# Altium PCB foxbms2-master.PcbDoc (part 11 of 12)
Units mil, origin at the board's own origin, x right, y up, seen from the top; angles counter-clockwise.
Board outline 7874.02 x 4724.41 mil, 8 copper layers (Top, Int1 (Sig), Int2 (Gnd), Int3 (Sig), Int4 (Sig), Int5 (Pwr), Int6 (Sig), Bottom), stack 64.41 mil thick; 912 components, 680 nets, 3159 pads, 2871 vias.
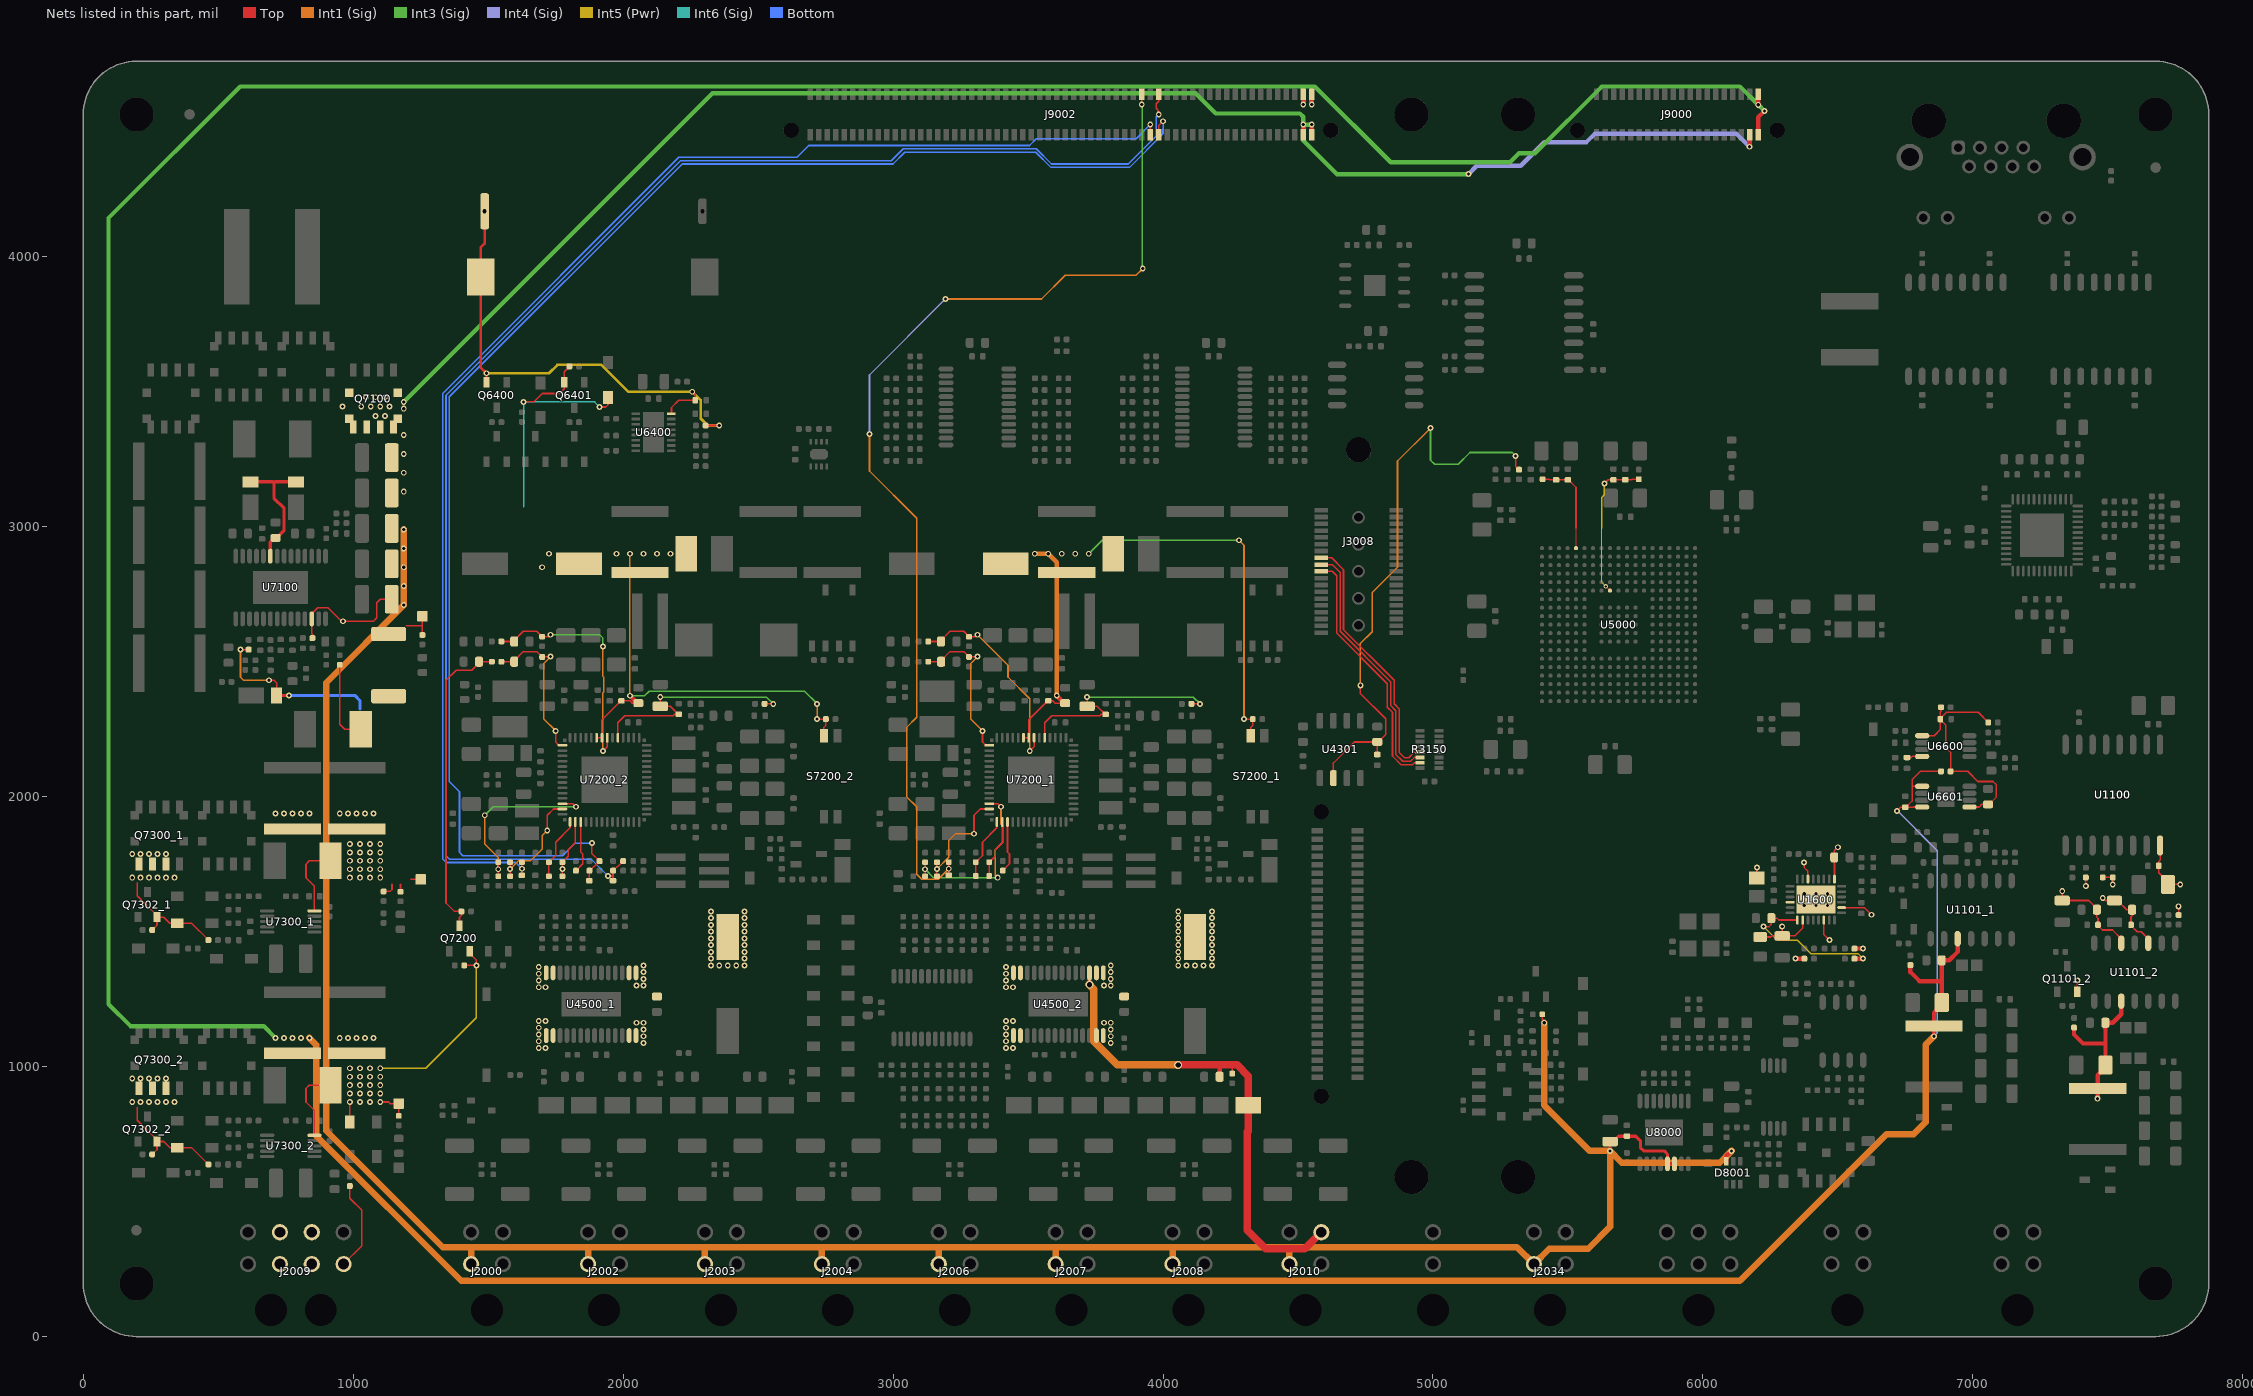
[diagram p17: the nets of this part, all layers, seen from the top]

## Via types
v1: diameter 21.65, hole 11.81, Top to Bottom, 1680 vias
v2: diameter 21.65, hole 11.81, Top to Bottom, tented both sides, 970 vias
v3: diameter 17.72, hole 7.87, Top to Bottom, tented both sides, 172 vias
v4: diameter 17.72, hole 7.87, Top to Bottom, 23 vias
v5: diameter 29.53, hole 19.68, Top to Bottom, tented both sides, 17 vias
v6: diameter 29.53, hole 19.68, Top to Bottom, 9 vias

## Nets (pads, with @x,y where several pads share a name; then routed paths per layer and width w, separated by ;. In a path a pad name is that pad's centre, name@x,y a point inside that pad or via, vN(x,y) a via of type N, cw(c..) or ccw(c..) an arc to the next point about the centre after c; other vN are vias at no path point) (continued)
SMSW_OUT2.4_1: C4507_2.2 D4503_2.1 J2010.3 R4508_2.2 U4500_2.17 | length 1864.6
  Top w6: 4255.3,1006.25 4256.25,1005.3 R4508_2.2@4256.25,973.97
  Top w16: v5(3727.66,1303.59) U4500_2.17@3727.66,1347.39 ; 4206.92,1006.25 4209.79,1003.37 C4507_2.2@4209.79,962.5
  Top w28: v5(4056.25,1006.25) 4206.92,1006.25 4255.3,1006.25 4275,1006.25 4316.29,964.96 D4503_2.1@4316.29,856.25 4316.29,761.45 4312.5,757.66 4312.5,393.75 4381.25,325 4525.16,325 J2010.3@4586.57,386.42
  Int1 (Sig) w28: v5(3727.66,1303.59) 3727.66,1303.18 3743.75,1287.09 3743.75,1093.75 3831.25,1006.25 v5(4056.25,1006.25)
SUPPLY_ext.15_IGNITION_1: J2009.1 R7005.2 | length 334.7
  Top w6: J2009.1@964.41,268.43 1031.25,335.27 1031.25,468.75 987.5,512.5 R7005.2@987.5,557.28
SUPPLY_IO.\SBC_PER_PGOOD_1: C7237_2.2 J9002.84 R7241_2.1 R7249_2.2 | length 5582.7
  Top w6: C7237_2.2@1875,1688.83 R7249_2.2@1875,1726.03 1889.83,1740.86 1891.89,1740.86 R7241_2.1@1912.5,1761.47 1884.18,1789.79 v1(1884.18,1827.94) ; J9002.84@3984.25,4452.76 3984.25,4486.32 v1(4000.3,4502.36)
  Bottom w6: v1(1884.18,1827.94) 1821.69,1827.94 1775,1781.25 1406.25,1781.25 1393.75,1793.75 1393.75,2018.75 1356.25,2056.25 1356.25,3387.01 1356.25,3481.25 2218.75,4343.75 3000,4343.75 3043.75,4387.5 3528.87,4387.5 3585.12,4331.25 3875.74,4331.25 4000,4455.51 4000,4475 4000.3,4475.3 v1(4000.3,4502.36)
SUPPLY_IO.\SBC_PER_RESET_1: C7236_2.2 J9002.83 R7240_2.1 R7248_2.1 | length 5687.4
  Top w6: v1(1943.75,1706.25) 1961.63,1706.25 1962.5,1707.12 ; C7236_2.2@1962.5,1688.83 1962.5,1707.12 ; R7240_2.1@2000,1761.47 1979.39,1740.86 1977.33,1740.86 R7248_2.1@1962.5,1726.03 1962.5,1707.12 ; v1(3983.96,4527.36) 3982.81,4528.51 3982.81,4542.19 3975,4550 3975,4567.46 3984.25,4576.71 J9002.83@3984.25,4602.36
  Bottom w6: v1(1943.75,1706.25) 1881.25,1768.75 1356.25,1768.75 1343.75,1781.25 1343.75,3434.15 1343.75,3487.5 2212.5,4356.25 2993.75,4356.25 3037.5,4400 3530.51,4400 3586.76,4343.75 3871.21,4343.75 3975,4447.54 3975,4518.41 v1(3983.96,4527.36)
SUPPLY_IO.SBC_MCU_FS0B_1: C7243_1.2 J9002.79 R7243_1.2 | length 3968.2
  Top w6: C7243_1.2@3206.25,1708.61 v2(3206.25,1732.95) R7243_1.2@3206.25,1757.28 ; v1(3921.26,4564.86) J9002.79@3921.26,4602.36
  Int3 (Sig) w6: v1(3921.26,4564.86) 3923.13,4562.99 3923.13,3958.12 v1(3925,3956.25)
  Int1 (Sig) w6: v1(2912.5,3343.75) 2912.5,3206.25 3087.5,3031.25 3087.5,2293.75 3050,2256.25 3050,2000 3087.5,1962.5 3087.5,1712.5 3106.25,1693.75 3167.05,1693.75 v2(3206.25,1732.95) ; v1(3193.75,3843.75) 3550,3843.75 3637.5,3931.25 3900,3931.25 v1(3925,3956.25)
  Int4 (Sig) w6: v1(2912.5,3343.75) 2912.5,3562.5 v1(3193.75,3843.75)
SUPPLY_IO.SBC_PER_FS0B_1: C7243_2.2 J9002.82 R7243_2.2 | length 5155.4
  Top w6: R7243_2.2@1625,1757.28 v2(1625,1732.95) C7243_2.2@1625,1708.61 C7243_2.2@1626.97,1708.61 ; J9002.82@3952.76,4452.76 v1(3952.76,4489.86)
  Bottom w6: v2(1625,1732.95) 1601.7,1756.25 1343.75,1756.25 1331.25,1768.75 1331.25,3471.48 1331.25,3493.75 2206.25,4368.75 2643.75,4368.75 2687.6,4412.6 3505.61,4412.6 3530.51,4437.5 3900.39,4437.5 v1(3952.76,4489.86)
SWT_72: C6602.2 U6600.4 | length 57.8
  Top w6: C6602.2@6756.25,2145.08 6772.45,2145.08 6776.49,2149.11 U6600.4@6812.4,2149.11
TCK_13: J3008.15 R3150.13 | length 958.7
  Top w6: J3008.15@4585.43,2885.04 4624.8,2885.04 4668.75,2841.09 4668.75,2618.75 4856.25,2431.25 4856.25,2343.75 4875,2325 4875,2163.47 4894.72,2143.75 4909.93,2143.75 4931.33,2165.16 R3150.13@4952.07,2165.16
TDI_13: J3008.19 R3150.15 | length 936.1
  Top w6: J3008.19@4585.43,2834.65 4627.05,2834.65 4643.75,2817.94 4643.75,2606.25 4831.25,2418.75 4831.25,2331.25 4850,2312.5 4850,2150.71 4881.96,2118.75 4924.3,2118.75 4931.33,2125.79 R3150.15@4952.07,2125.79
TMS_13: J3008.17 R3150.14 | length 948.7
  Top w6: J3008.17@4585.43,2859.84 4627.02,2859.84 4656.25,2830.61 4656.25,2612.5 4843.75,2425 4843.75,2337.5 4862.5,2318.75 4862.5,2156.25 4887.65,2131.1 4916.96,2131.1 4931.33,2145.47 R3150.14@4952.07,2145.47
VBAT: BT6400.+ BT6401.+ C6401.2 Q6400.S R6400.2 U6400.16 | length 1866.1
  Top w6: Q6400.S@1493.85,3534.74 v2(1493.85,3568.65) ; U6400.16@2179.04,3418.9 2179.04,3441.54 2206.25,3468.75 C6401.2@2267.42,3468.75 2267.42,3488.83 v2(2256.25,3500) ; R6400.2@2305.22,3375 v2(2356.25,3375)
  Top w10: BT6401.+@1486.81,4168.75 1486.81,4049.31 1472.15,4034.65 BT6400.+@1472.15,3925 1472.15,3590.35 v2(1493.85,3568.65)
  Int5 (Pwr) w10: v2(1493.85,3568.65) 1724.9,3568.65 1756.25,3600 1919.38,3600 2019.38,3500 v2(2256.25,3500) 2284.57,3471.68 2287.5,3468.75 2287.5,3401.84 2314.34,3375 v2(2356.25,3375)
VBB_12V: C4500_1.1 C4500_2.1 C4501_1.2 C4501_2.2 C7100.2 C7101.2 C7102.2 C7103.2 C7104.2 C8003.2 C8012.2 D8001.3 J2000.2 J2002.2 J2003.2 J2004.2 J2006.2 J2007.2 J2008.2 J2010.2 J2034.2 J9000.38 J9002.118 J9002.120 Q7100.D R4410.2 R7001.2 R7112.1 R7115.2 TP_VBB_12V.1 U4500_1.1 U4500_1.2 U4500_1.13 U4500_1.14 U4500_1.15 U4500_1.16 U4500_1.27 U4500_1.28 U4500_2.1 U4500_2.2 U4500_2.13 U4500_2.14 U4500_2.15 U4500_2.16 U4500_2.27 U4500_2.28 U7100.12 U8000.13 U8000.14 | length 16181.7
  Top w6: R7112.1@848.97,2587.5 848.97,2602.33 846.41,2604.89 U7100.12@846.41,2658.86 846.41,2677.56 868.85,2700 906.25,2700 956.25,2650 v1(962.5,2650) 1075,2650 1087.5,2662.5 1087.5,2718.75 1100,2731.25 C7103.2@1142.62,2731.25 ; 1196.36,2633.86 1256.25,2633.86 ; R7001.2@1256.25,2598.97 1256.25,2633.86 ; TP_VBB_12V.1@1256.25,2668.75 1256.25,2633.86 ; R4410.2@5405.22,1193.75 5405.22,1174.02 5412.5,1166.74 v1(5412.5,1162.5)
  Top w12: v2(5656.25,687.5) C8012.2@5656.25,722.15 5667.08,722.15 5687.35,742.42 C8003.2@5718.75,742.42 5751.33,742.42 5768.75,725 5768.75,700 5781.25,687.5 5856.25,687.5 5869.05,674.7 U8000.13@5869.05,640.11 U8000.14@5894.64,640.11
  Top w16: J9002.118@4519.68,4452.76 v1(4519.68,4489.86) ; J9002.120@4551.18,4452.76 v1(4551.18,4489.86) ; D8001.3@6086.91,648.57 6086.91,668.32 6106.09,687.5 v1(6106.25,687.5) ; v1(6173.23,4407.53) J9000.38@6173.23,4452.76
  Int3 (Sig) w16: v1(1187.5,3462.5) 1262.5,3537.5 2331.25,4606.25 4120.76,4606.25 4195.76,4531.25 4507.18,4531.25 4519.68,4518.75 v1(4519.68,4489.86) ; v1(4551.18,4489.86) v1(4519.68,4489.86) ; v1(5131.25,4306.25) 4644.34,4306.25 4519.68,4430.91 v1(4519.68,4489.86)
  Int1 (Sig) w24: v1(1187.5,2990) v1(1187.5,2920) v1(1187.5,2850) v1(1187.5,2780) v1(1187.5,2710) 900,2422.5 900,762.5 1331.25,331.25 1438.37,331.25 ; J2000.2@1437.05,268.43 1437.05,329.92 1438.37,331.25 ; J2002.2@1870.12,268.43 1870.12,329.23 1868.1,331.25 ; J2003.2@2303.19,268.43 2303.19,328.67 2300.61,331.25 ; J2004.2@2736.26,268.43 2736.26,328.45 2733.46,331.25 ; J2006.2@3169.33,268.43 3169.33,330.99 3169.07,331.25 ; J2007.2@3602.4,268.43 3602.4,331 3602.66,331.25 ; J2008.2@4035.47,268.43 4035.47,329.84 4034.06,331.25 ; J2010.2@4468.54,268.43 4468.54,329.61 4470.19,331.25 ; v1(5412.5,1162.5) 5412.5,856.25 5581.25,687.5 v2(5656.25,687.5) ; v1(6106.25,687.5) 6062.5,643.75 5700,643.75 v2(5656.25,687.5) ; 1438.37,331.25 1868.1,331.25 ; 1868.1,331.25 2300.61,331.25 ; 2300.61,331.25 2733.46,331.25 ; 2733.46,331.25 3169.07,331.25 ; 3169.07,331.25 3602.66,331.25 ; 3602.66,331.25 4034.06,331.25 ; 4034.06,331.25 4470.19,331.25 ; 4470.19,331.25 5311.23,331.25 J2034.2@5374.06,268.43 5430.63,325 5575,325 5656.25,406.25 v2(5656.25,687.5)
  Int4 (Sig) w16: v1(5131.25,4306.25) 5162.5,4337.5 5325,4337.5 5412.5,4425 5568.75,4425 5600,4456.25 6124.51,4456.25 v1(6173.23,4407.53)
  other v1: 1187.5,3130 1187.5,3200 1187.5,3270 1187.5,3340 1082.5,3410 1117.5,3410 1187.5,3437.5 960,3445 1030,3445 1065,3445 1100,3445 1135,3445 1047.5,3480 1082.5,3480 1117.5,3480
  other v2: 1687.5,1068.75 1712.5,1068.75 3418.75,1068.75 3443.75,1068.75 2075,1087.5 3806.25,1087.5 1687.5,1093.75 3418.75,1093.75 2075,1112.5 3806.25,1112.5 1687.5,1118.75 3418.75,1118.75 2075,1137.5 3806.25,1137.5 1687.5,1143.75 3418.75,1143.75 2050,1162.5 2075,1162.5 3781.25,1162.5 3806.25,1162.5 1687.5,1168.75 1712.5,1168.75 3418.75,1168.75 3443.75,1168.75 1687.5,1293.75 1712.5,1293.75 3418.75,1293.75 3443.75,1293.75 2050,1300 2075,1300 3781.25,1300 3806.25,1300 1687.5,1318.75 3418.75,1318.75 2075,1325 3806.25,1325 1687.5,1343.75 3418.75,1343.75 2075,1350 3806.25,1350 1687.5,1368.75 3418.75,1368.75 2075,1375 2325,1375 2356.25,1375 2387.5,1375 2418.75,1375 2450,1375 3806.25,1375 4056.25,1375 4087.5,1375 4118.75,1375 4150,1375 4181.25,1375 2325,1400 2450,1400 4056.25,1400 4181.25,1400 2325,1425 2450,1425 4056.25,1425 4181.25,1425 2325,1450 2450,1450 4056.25,1450 4181.25,1450 2325,1475 2450,1475 4056.25,1475 4181.25,1475 2325,1500 2450,1500 4056.25,1500 4181.25,1500 2325,1525 2450,1525 4056.25,1525 4181.25,1525 2325,1550 2450,1550 4056.25,1550 4181.25,1550 2325,1575 2450,1575 4056.25,1575 4181.25,1575
VBOS_1: C7241_1.2 C7242_1.2 R7232_1.2 U7200_1.47 | length 868.8
  Top w6: U7200_1.47@3561.71,2218.52 3561.71,2274.21 3587.5,2300 3766.37,2300 3771.3,2304.92 C7242_1.2@3785.53,2304.92 ; v2(3718.75,2368.75) C7241_1.2@3718.75,2334.65 3755.81,2334.65 C7242_1.2@3785.53,2304.92 ; C7242_1.2@3787.5,2304.92 C7242_1.2@3785.53,2304.92 ; R7232_1.2@4105.22,2343.75 v2(4137.5,2343.75)
  Int3 (Sig) w6: v2(3718.75,2368.75) 4112.5,2368.75 v2(4137.5,2343.75)
VBOS_2: C7241_2.2 C7242_2.2 R7232_2.2 U7200_2.47 | length 868.8
  Top w6: U7200_2.47@1980.46,2218.52 1980.46,2274.21 2006.25,2300 2185.12,2300 2190.05,2304.92 C7242_2.2@2204.28,2304.92 ; v2(2137.5,2368.75) C7241_2.2@2137.5,2334.65 2174.56,2334.65 C7242_2.2@2204.28,2304.92 ; C7242_2.2@2206.25,2304.92 C7242_2.2@2204.28,2304.92 ; R7232_2.2@2523.97,2343.75 v2(2556.25,2343.75)
  Int3 (Sig) w6: v2(2137.5,2368.75) 2531.25,2368.75 v2(2556.25,2343.75)
VCC: C1603.2 L1600.2 R1600.2 R1609.2 U1600.6 U1600.16 U1600.20 U1600.24 | length 578.4
  Top w6: L1600.2@6200,1698.57 v2(6200,1737.5) ; R1600.2@6212.5,1480.17 6251.16,1480.17 6255.09,1484.1 C1603.2@6293.75,1484.1 ; v2(6293.75,1518.75) C1603.2@6293.75,1484.1 ; U1600.16@6369.54,1542.96 6369.54,1513.29 6340.35,1484.1 C1603.2@6293.75,1484.1 ; v2(6375,1756.25) 6375,1737.5 6389.22,1723.28 U1600.6@6389.22,1694.54 ; U1600.20@6448.28,1542.96 6448.28,1489.22 v2(6468.75,1468.75) ; U1600.24@6514.22,1589.22 6598.28,1589.22 v2(6625,1562.5)
  Top w16: R1609.2@6561.47,1437.5 v2(6593.75,1437.5)
VCC_int: C7116.1 D7101.2 D7102.2 U7100.23 | length 484.5
  Top w12: D7101.2@618.75,3166.29 702.46,3166.29 706.25,3162.5 ; U7100.23@692.86,2891.14 692.86,2943.26 708.56,2958.96 C7116.1@712.5,2958.96 716.44,2958.96 743.75,2986.27 743.75,3068.75 706.25,3106.25 706.25,3162.5 ; D7102.2@787.5,3166.29 710.04,3166.29 706.25,3162.5
VCC_reg: C6600.2 C6606.2 R6600.2 R6606.2 R6607.2 U6600.1 U6601.1 | length 921.2
  Top w6: U6600.1@6812.4,2225.89 6857.14,2225.89 6879.92,2248.67 C6600.2@6879.92,2285.53 ; R6606.2@6882.28,2331.25 6882.28,2316.42 6879.92,2314.06 C6600.2@6879.92,2289.47 ; U6601.1@6987.6,1961.61 7023.71,1961.61 7033.55,1971.46 C6606.2@7056.25,1971.46 7060.19,1971.46 7087.5,1998.77 7087.5,2043.75 7075,2056.25 7018.75,2056.25 6981.25,2093.75 R6607.2@6917.72,2093.75 6917.72,2163.53 6900,2181.25 6900,2265.45 C6600.2@6879.92,2285.53 ; R6600.2@7057.28,2275 7019.78,2312.5 6902.95,2312.5 C6600.2@6879.92,2289.47 ; C6600.2@6879.92,2285.53 C6600.2@6879.92,2287.5 C6600.2@6879.92,2289.47
VCCAD_5.0V: C5011.2 C5012.2 FB5001.2 U5000.W15 | length 361
  Top w4: U5000.W15@5530.02,2920.96 5530.02,2993.75
  Top w6: FB5001.2@5406.25,3176.03 5430.22,3176.03 5432.58,3173.67 C5011.2@5456.25,3173.67 C5012.2@5500,3173.67 5501.97,3173.67 5530.02,3145.62 5530.02,2993.75
VCCPLL_1.2V: C5008.2 C5009.2 FB5000.2 U5000.P11 | length 547.2
  Top w4: v3(5640.26,2779.23) U5000.P11@5656,2763.48
  Top w6: v1(5635.95,3160.24) 5649.39,3173.67 C5009.2@5668.75,3173.67 C5008.2@5712.5,3173.67 5736.17,3173.67 5738.53,3176.03 FB5000.2@5762.5,3176.03
  Int5 (Pwr) w4: 5625,2993.75 5625,2794.49 v3(5640.26,2779.23)
  Int5 (Pwr) w6: 5625,2993.75 5625,3108.63 5635.12,3118.75 5635.12,3159.4 v1(5635.95,3160.24)
VCOREMON_1: R7202.1 U7200_1.17 | length 193.8
  Top w6: R7202.1@3406.25,1726.03 3431.25,1751.03 3431.25,1787.5 3423.92,1794.83 U7200_1.17@3423.92,1906.48
VCOREMON_2: R7214.1 U7200_2.17 | length 193.8
  Top w6: R7214.1@1825,1726.03 1850,1751.03 1850,1787.5 1842.67,1794.83 U7200_2.17@1842.67,1906.48
VDD: C1600.1 R1610.2 U1600.15 | length 604.2
  Top w6: v2(6225,1518.75) 6244.99,1518.75 6253.54,1527.3 C1600.1@6253.54,1550 6275,1550 6282.04,1542.96 U1600.15@6349.85,1542.96
  Top w16: R1610.2@6561.47,1400 v2(6593.75,1400)
  Int5 (Pwr) w6: v2(6225,1518.75) 6275,1468.75 6350,1468.75 6400,1418.75 6575,1418.75 v2(6593.75,1400)
VEE: C1601.1 R1613.1 U1600.1 U1600.12 U1600.29 | length 156.2
  Top w6: U1600.1@6487.65,1694.54 6487.65,1751.32 6486.66,1752.3 C1601.1@6486.66,1775 6486.66,1799.16 v2(6500,1812.5)
  Top w16: v2(6343.75,1400) R1613.1@6376.03,1400
  other v2: 6375.44,1597.1 6418.75,1597.1 6462.06,1597.1 6375.44,1640.4 6418.75,1640.4 6462.06,1640.4
VISO_ext: C1101.2 C1103_2.2 C1104_2.2 C1105_2.2 C1107_2.2 C1108_2.2 C1109_2.2 C1110_2.2 C1111_2.2 C1112_2.2 C1115.2 Q1101_2.S R1102.2 R1103_2.2 R1104_2.2 R1105_2.2 R1116_2.2 U1100.16 U1101_2.3 U1101_2.5 U1101_2.10 | length 1596.9
  Top w6: v1(7331.25,1650) C1107_2.2@7331.25,1615.35 7429.63,1615.35 7459.79,1585.19 C1108_2.2@7459.79,1581.25 7459.79,1552.71 7463.83,1548.67 C1109_2.2@7463.83,1525 7463.83,1523.03 7480.61,1506.25 7517.77,1506.25 7550,1474.02 U1101_2.5@7550,1457.28 ; Q1101_2.S@7387.4,1277.76 7387.4,1301.44 7387.5,1301.54 v1(7387.5,1318.75) ; v1(7418.75,1668.75) R1102.2@7418.75,1701.03 ; v1(7481.25,1625) 7490.9,1615.35 C1110_2.2@7525,1615.35 7535.83,1615.35 7569.93,1581.25 C1111_2.2@7590.21,1581.25 7590.21,1558.55 7586.17,1554.51 C1112_2.2@7586.17,1525 7586.17,1523.03 7609.2,1500 7624.02,1500 7650,1474.02 U1101_2.3@7650,1457.28 ; R1104_2.2@7481.25,1701.03 R1103_2.2@7518.75,1701.03 v1(7518.75,1675) ; U1100.16@7693.75,1819.24 7693.75,1764.88 7688.83,1759.95 C1115.2@7688.83,1743.75 7688.83,1717.91 7722.88,1683.86 C1101.2@7722.88,1675 v1(7768.75,1675) ; R1105_2.2@7762.5,1561.47 v1(7762.5,1593.75)
  Top w16: R1116_2.2@7375,1144.78 7375,1118.75 7408.37,1085.38 7491.63,1085.38 ; v2(7462.5,881.25) C1105_2.2@7462.5,919.44 7462.5,968.26 7491.63,997.39 C1104_2.2@7491.63,1006.25 7491.63,1085.38 ; U1101_2.10@7550,1242.72 7550,1193.75 7518.75,1162.5 C1103_2.2@7491.04,1162.5 7491.04,1139.8 7491.63,1139.21 7491.63,1085.38
VMON1_1: R7203.1 R7208.2 U7200_1.16 | length 220.1
  Top w6: R7208.2@3356.25,1706.25 3356.25,1731.77 R7203.1@3356.25,1757.28 3378.17,1779.21 3378.17,1803.17 3404.23,1829.23 U7200_1.16@3404.23,1906.48
VMON1_2: R7216.1 R7221.2 U7200_2.16 | length 220.1
  Top w6: R7221.2@1775,1706.25 v2(1775,1731.77) R7216.1@1775,1757.28 1796.92,1779.21 1796.92,1803.17 1822.98,1829.23 U7200_2.16@1822.98,1906.48
VMON2_1: R7204.1 R7209.2 U7200_1.15 | length 232.7
  Top w6: R7209.2@3306.25,1706.25 R7204.1@3306.25,1757.28 3331.25,1782.28 3331.25,1831.25 3384.55,1884.55 U7200_1.15@3384.55,1906.48
VMON2_2: R7215.1 R7220.2 U7200_2.15 | length 232.7
  Top w6: R7220.2@1725,1706.25 R7215.1@1725,1757.28 1750,1782.28 1750,1831.25 1803.3,1884.55 U7200_2.15@1803.3,1906.48
VMON3_1: R7200.1 R7205.2 U7200_1.13 | length 413.7
  Top w6: R7205.2@3162.5,1706.25 v2(3162.5,1731.77) R7200.1@3162.5,1757.28 ; v2(3300,1862.5) 3300,1931.25 3322.98,1954.23 U7200_1.13@3356.48,1954.23
  Int1 (Sig) w6: v2(3162.5,1731.77) 3206.25,1775.52 3206.25,1837.5 3231.25,1862.5 v2(3300,1862.5)
VMON3_2: R7212.1 R7217.2 U7200_2.13 | length 399.4
  Top w6: R7217.2@1581.25,1706.25 v2(1581.25,1731.77) R7212.1@1581.25,1757.28 ; v2(1718.75,1875) 1718.75,1931.25 1741.73,1954.23 U7200_2.13@1775.23,1954.23
  Int1 (Sig) w6: v2(1581.25,1731.77) 1612.5,1763.02 1656.77,1763.02 1700,1806.25 1700,1856.25 v2(1718.75,1875)
VMON4_1: R7201.1 R7206.2 U7200_1.12 | length 662.6
  Top w6: R7206.2@3118.75,1705.22 v2(3118.75,1731.25) R7201.1@3118.75,1757.28 ; U7200_1.12@3356.48,1973.92 3388.58,1973.92 v2(3400,1962.5)
  Int3 (Sig) w6: v2(3118.75,1731.25) 3150,1700 v1(3387.5,1700)
  Int1 (Sig) w6: v1(3387.5,1700) 3378.17,1709.33 3378.17,1802.79 3387.5,1812.12 3387.5,1812.5 3406.25,1831.25 3406.25,1891.63 3400,1897.88 v2(3400,1962.5)
VMON4_2: R7213.1 R7218.2 U7200_2.12 | length 677.7
  Top w6: R7218.2@1537.5,1705.22 v2(1537.5,1731.25) R7213.1@1537.5,1757.28 ; U7200_2.12@1775.23,1973.92 1813.58,1973.92 v2(1825,1962.5)
  Int3 (Sig) w6: v1(1487.5,1931.25) 1518.75,1962.5 v2(1825,1962.5)
  Int1 (Sig) w6: v1(1487.5,1931.25) 1487.5,1825 1537.5,1775 v2(1537.5,1731.25)
VREF_5V: C4346.2 C4347.2 FB5002.1 U4301.6 | length 2141.9
  Top w6: U4301.6@4631.25,2068.7 4631.25,2125 4708.96,2202.71 C4347.2@4793.75,2202.71 ; v1(4731.25,2412.5) 4731.25,2382.3 4825,2288.55 4825,2230.02 4797.69,2202.71 C4347.2@4793.75,2202.71 ; C4346.2@4793.75,2156.25 C4347.2@4793.75,2202.71 ; v2(5306.25,3262.5) 5306.25,3223.97 FB5002.1@5318.75,3211.47
  Int3 (Sig) w6: v1(4990.82,3365.43) 4990.82,3246.68 5006.25,3231.25 5093.75,3231.25 5137.5,3275 5293.75,3275 v2(5306.25,3262.5)
  Int1 (Sig) w6: v1(4731.25,2412.5) 4731.25,2567.27 4775,2611.02 4775,2756.25 4868.75,2850 4868.75,3243.37 v1(4990.82,3365.43)
VSUP_30: C1103_1.2 C1104_1.2 C1105_1.2 C6605.2 C7205_1.1 C7205_2.1 C7206_1.2 C7206_2.2 C7207_1.2 C7207_2.2 C7219_1.2 C7219_2.2 C7301_2.2 C7302_2.2 D6400.1 D7006.1 J9000.39 J9000.40 J9002.117 J9002.119 L7200_1.1 L7200_2.1 Q6401.S Q7200.S R1116_1.2 R6402.2 R6607.1 R7004.2 R7223.1 R7230_1.2 R7230_2.2 R7301_2.2 S7200_1.4 S7200_2.4 TP_VSUP_30.1 U1101_1.10 U6601.5 U6601.8 U7200_1.50 U7200_1.51 U7200_2.50 U7200_2.51 U7300_2.5 | length 25635.8
  Top w6: U7300_2.5@856.35,745.62 856.35,837.4 825,868.75 825,918.75 837.5,931.25 R7301_2.2@915.85,931.25 ; D7006.1@987.5,795.62 v1(987.5,868.75) ; v1(1100,868.75) 1131.25,868.75 1137.5,862.5 TP_VSUP_30.1@1168.75,862.5 R7004.2@1168.75,817.72 ; R7223.1@1411.47,1375 v2(1456.25,1375) 1456.25,1394.78 1431.15,1419.88 Q7200.S@1431.15,1427.76 ; v1(1631.25,3462.5) 1668.75,3462.5 1700,3493.75 1764.04,3493.75 1781.35,3511.06 Q6401.S@1781.35,3534.74 1781.35,3574.07 R6402.2@1801.03,3593.75 ; U7200_2.51@1901.72,2218.52 U7200_2.50@1921.41,2218.52 1921.41,2284.55 1991.78,2354.92 C7219_2.2@1993.75,2354.92 2025.15,2354.92 2033.55,2346.52 2033.55,2346.46 2052.31,2346.46 C7206_2.2@2056.25,2346.46 ; v1(1912.5,3443.75) 1936.14,3443.75 1943.75,3451.36 D6400.1@1943.75,3479.38 ; v2(2718.75,2287.5) R7230_2.2@2751.03,2287.5 2751.03,2263.53 2743.75,2256.25 S7200_2.4@2743.75,2225 ; U7200_1.51@3482.97,2218.52 U7200_1.50@3502.66,2218.52 3502.66,2284.55 3573.03,2354.92 C7219_1.2@3575,2354.92 3591.2,2354.92 3599.67,2346.46 C7206_1.2@3633.56,2346.46 ; v2(4300,2287.5) R7230_1.2@4332.28,2287.5 4332.28,2263.53 4325,2256.25 S7200_1.4@4325,2225 ; v2(6718.75,1947.5) 6732.42,1961.17 C6605.2@6750,1961.17 C6605.2@6751.97,1961.17 ; U6601.8@6812.4,1961.61 6781.83,1961.61 6781.38,1961.17 C6605.2@6751.97,1961.17 ; U6601.5@6812.4,2038.39 6775.22,2038.39 6775,2038.61 ; R6607.1@6882.28,2093.75 6806.25,2093.75 6775,2062.5 6775,2038.61 ; C6605.2@6751.97,1961.17 6775,1984.2 6775,2038.61
  Top w16: v2(2025,2373.77) C7206_2.2@2052.31,2346.46 ; v2(3606.25,2375) 3606.25,2373.77 3633.56,2346.46 C7206_1.2@3637.5,2346.46 ; v1(4519.68,4564.86) J9002.117@4519.68,4602.36 ; v1(4550.93,4564.61) 4551.18,4564.86 J9002.119@4551.18,4602.36 ; J9000.40@6204.72,4452.76 6204.72,4517.22 v1(6227.93,4540.43) ; J9000.39@6204.72,4602.36 6204.72,4563.64 v1(6205.3,4563.07) ; R1116_1.2@6768.75,1376.03 6768.75,1350 6802.12,1316.63 6885.38,1316.63 ; v2(6856.25,1112.5) C1105_1.2@6856.25,1150.69 6856.25,1199.51 6885.38,1228.64 C1104_1.2@6885.38,1237.5 6885.38,1316.63 ; U1101_1.10@6943.75,1473.97 6943.75,1425 6912.5,1393.75 C1103_1.2@6884.79,1393.75 6884.79,1371.05 6885.38,1370.46 6885.38,1316.63
  Int3 (Sig) w6: v2(2025,2373.77) 2079.48,2373.77 2096.29,2390.58 2671.92,2390.58 v1(2718.75,2343.75) ; v1(3725,2900) 3775,2950 v1(4281.25,2950)
  Int3 (Sig) w16: v1(712.5,1106.25) 668.75,1150 175,1150 93.75,1231.25 93.75,4143.75 581.25,4631.25 4519.39,4631.25 ; v1@4519.39,4564.86 4519.39,4631.25 ; v1@4550.32,4564.61 4550.32,4631.25 ; v1(6227.93,4540.43) v1(6205.3,4563.07) 6137.12,4631.25 5625.94,4631.25 5378.44,4383.75 5318.86,4383.75 5285.11,4350 4843.75,4350 4562.5,4631.25 4550.32,4631.25 ; 4519.39,4631.25 4550.32,4631.25